# KiCad board ASP-K8071.kicad_pcb
title: ASP-K8071; date: 2025-07-06; rev: 1; company: Roborton; note: Revision 1, 06.07.2025, Stefan Berndt
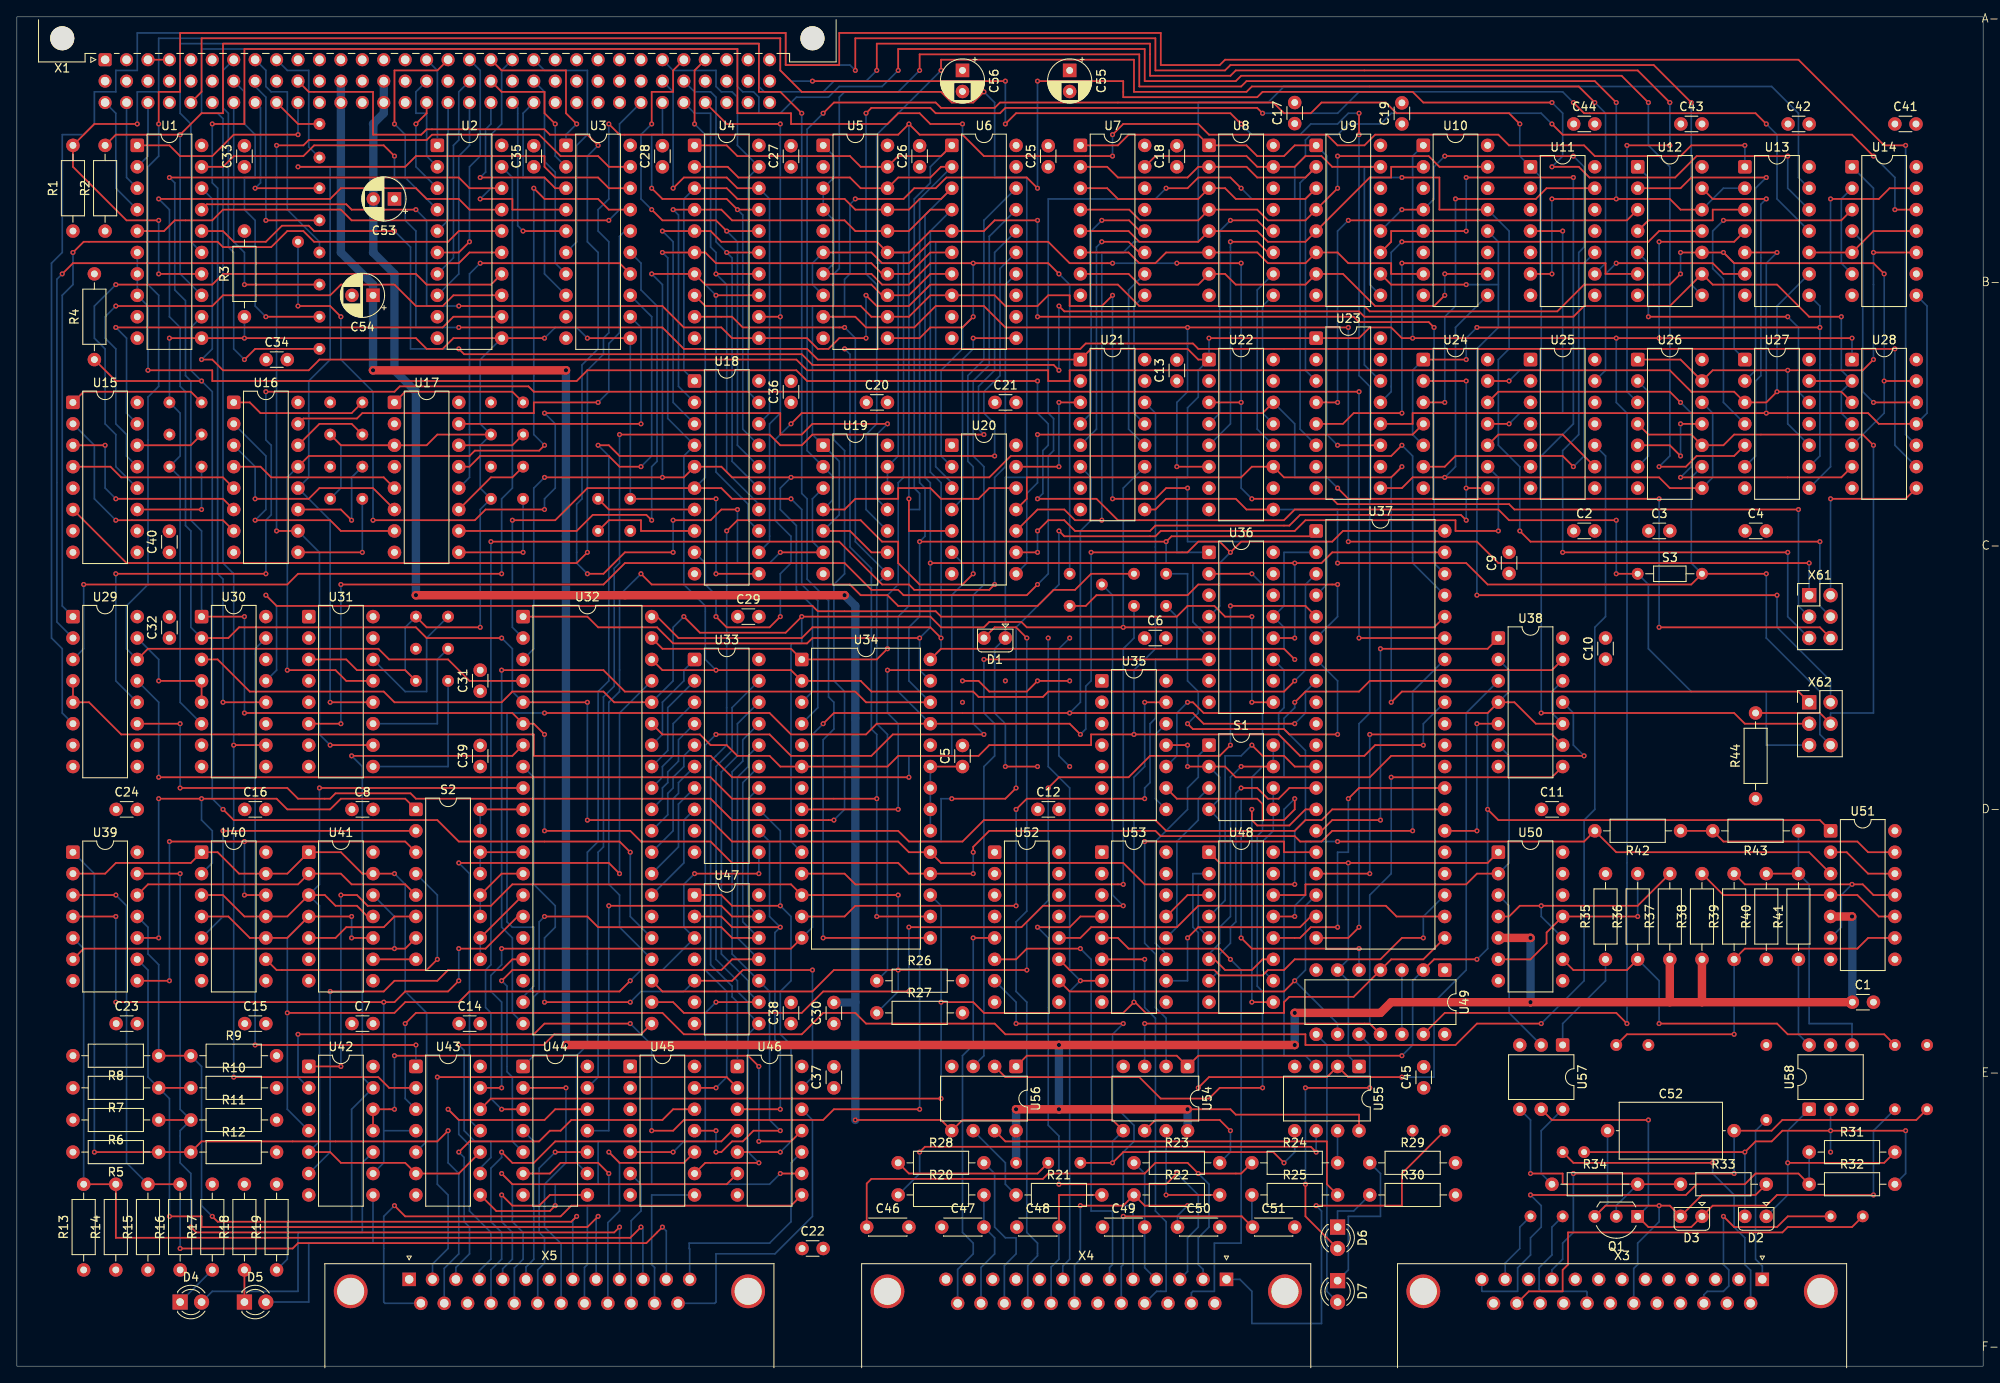
[diagram p0: board, top side]
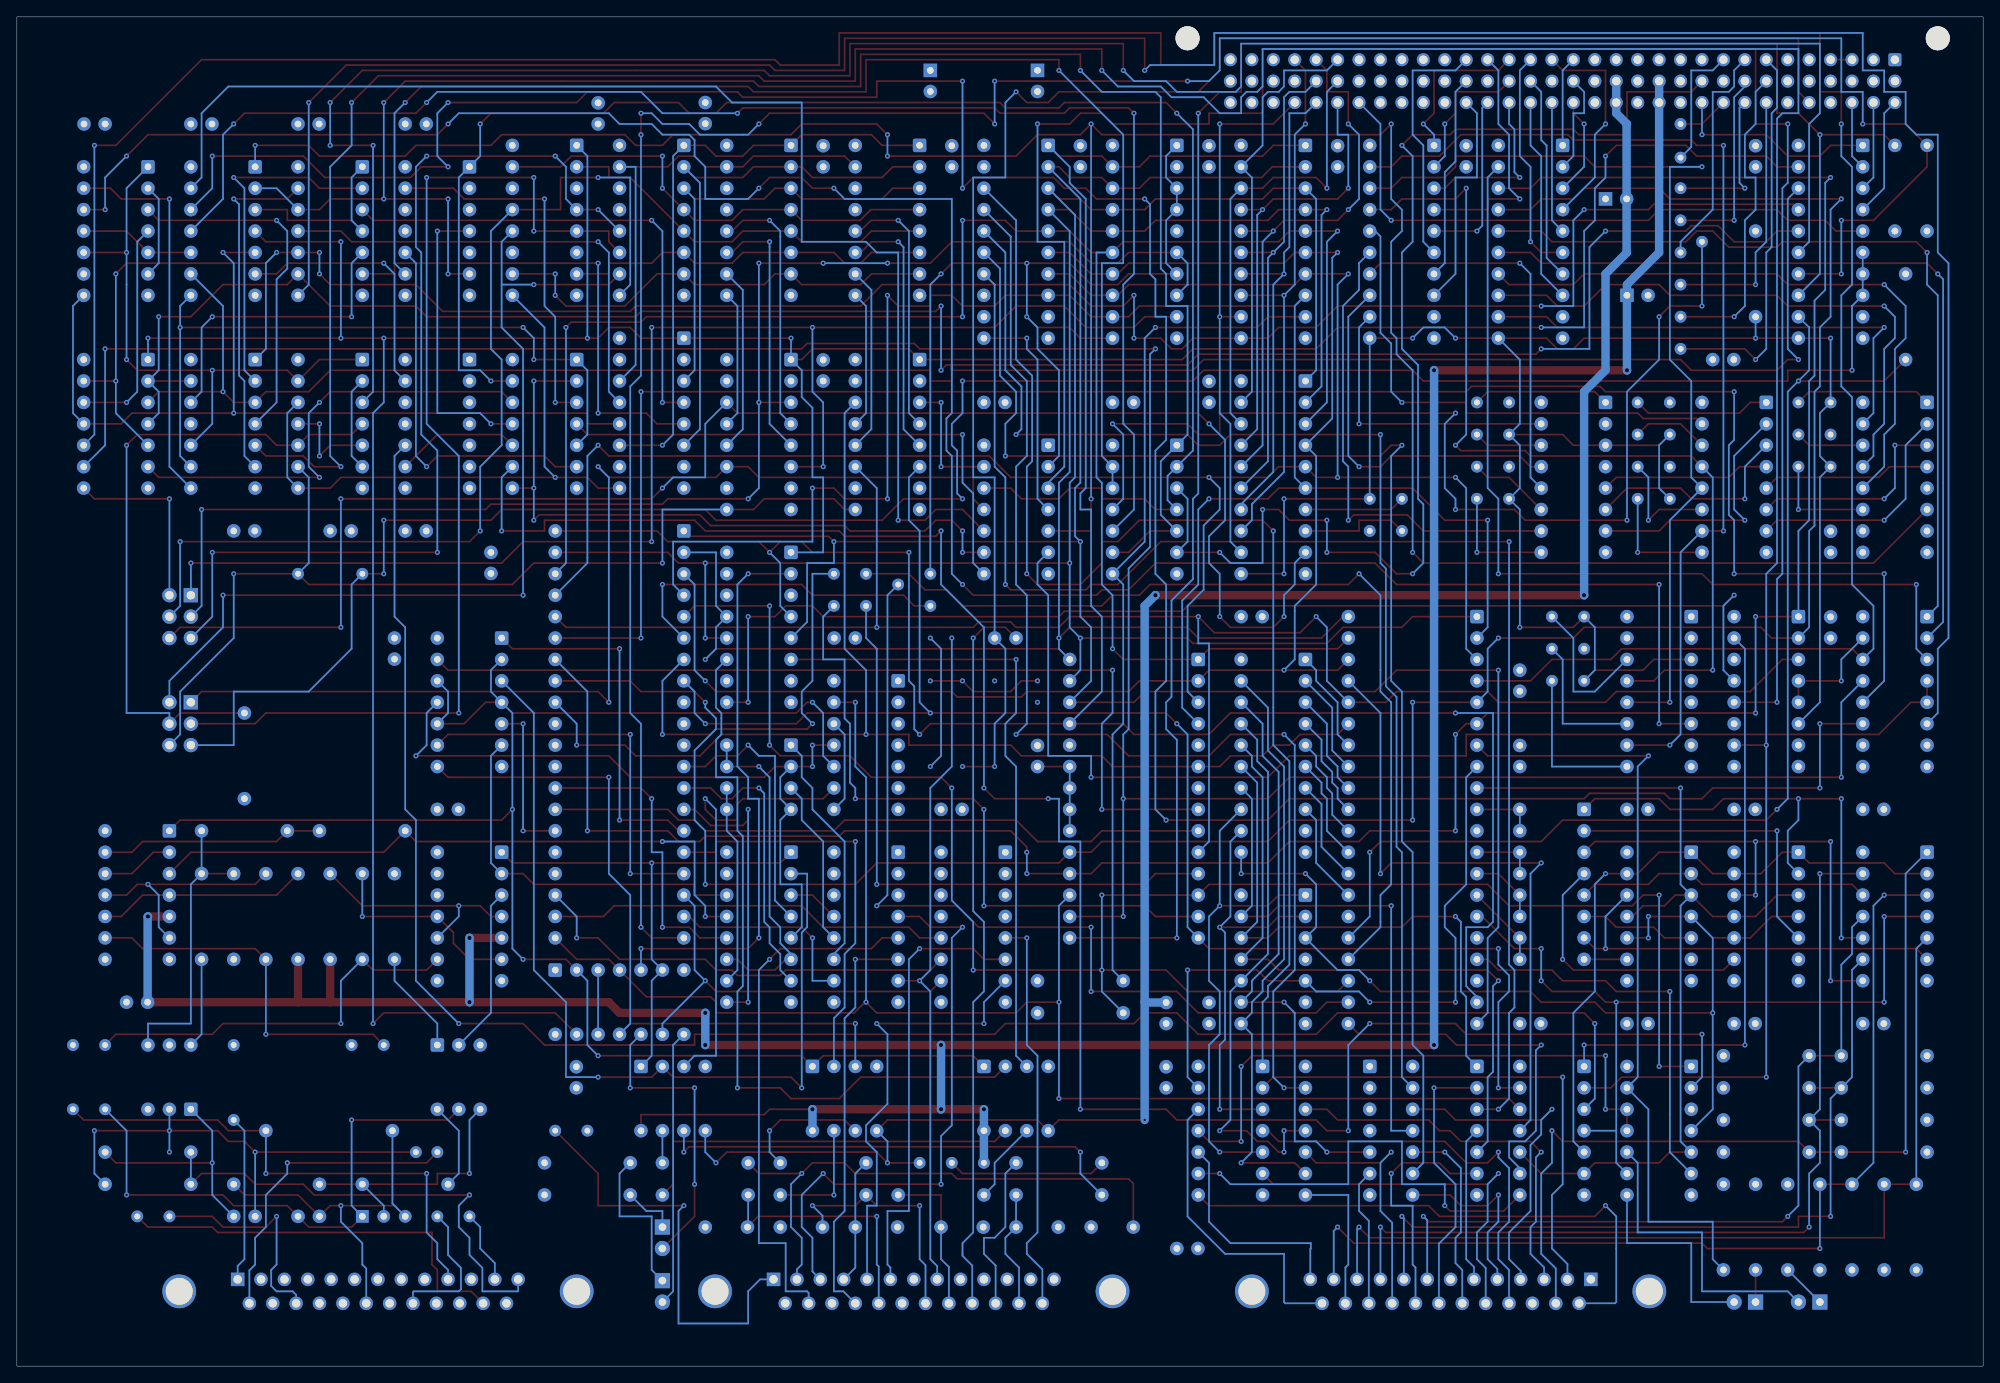
[diagram p1: board, bottom side, seen from below]

Outline 233 x 160 mm; copper layers: Top, In1.Cu, In2.Cu, Bottom. Coordinates in mm from the lower left corner of the outline.
Outline path: rectangle 0,160 233,0
Stack: Top 0.035mm / dielectric 0.1mm FR4 er 4.5 / In1.Cu 0.035mm / dielectric 1.24mm FR4 er 4.5 / In2.Cu 0.035mm / dielectric 0.1mm FR4 er 4.5 / Bottom 0.035mm / dielectric 0mm FR4 er 4.5

## Placement (name value [footprint] x y rotation side)
C1  100nF  [C_Disc_D3.0mm_W1.6mm_P2.50mm]  217.51 43.16 0 top
C2  100nF  [C_Disc_D3.0mm_W1.6mm_P2.50mm]  184.48 99.04 0 top
C3  100nF  [C_Disc_D3.0mm_W1.6mm_P2.50mm]  193.38 99.04 0 top
C4  100nF  [C_Disc_D3.0mm_W1.6mm_P2.50mm]  204.81 99.04 0 top
C5  100nF  [C_Disc_D3.0mm_W1.6mm_P2.50mm]  112.06 71.1 90 top
C6  100nF  [C_Disc_D3.0mm_W1.6mm_P2.50mm]  133.65 86.34 0 top
C7  100nF  [C_Disc_D3.0mm_W1.6mm_P2.50mm]  39.7 40.62 0 top
C8  100nF  [C_Disc_D3.0mm_W1.6mm_P2.50mm]  39.7 66.02 0 top
C9  100nF  [C_Disc_D3.0mm_W1.6mm_P2.50mm]  176.82 94 90 top
C10  100nF  [C_Disc_D3.0mm_W1.6mm_P2.50mm]  188.25 83.84 90 top
C11  100nF  [C_Disc_D3.0mm_W1.6mm_P2.50mm]  180.68 66.02 0 top
C12  100nF  [C_Disc_D3.0mm_W1.6mm_P2.50mm]  120.98 66.02 0 top
C13  100nF  [C_Disc_D3.0mm_W1.6mm_P2.50mm]  137.46 116.82 90 top
C14  100nF  [C_Disc_D3.0mm_W1.6mm_P2.50mm]  52.41 40.62 0 top
C15  100nF  [C_Disc_D3.0mm_W1.6mm_P2.50mm]  27 40.62 0 top
C16  100nF  [C_Disc_D3.0mm_W1.6mm_P2.50mm]  27 66.02 0 top
C17  100nF  [C_Disc_D3.0mm_W1.6mm_P2.50mm]  151.43 147.34 90 top
C18  100nF  [C_Disc_D3.0mm_W1.6mm_P2.50mm]  137.46 142.22 90 top
C19  100nF  [C_Disc_D3.0mm_W1.6mm_P2.50mm]  164.12 147.3 90 top
C20  100nF  [C_Disc_D3.0mm_W1.6mm_P2.50mm]  100.66 114.28 0 top
C21  100nF  [C_Disc_D3.0mm_W1.6mm_P2.50mm]  115.91 114.28 0 top
C22  100nF  [C_Disc_D3.0mm_W1.6mm_P2.50mm]  93.04 13.95 0 top
C23  100nF  [C_Disc_D3.0mm_W1.6mm_P2.50mm]  11.77 40.62 0 top
C24  100nF  [C_Disc_D3.0mm_W1.6mm_P2.50mm]  11.77 66.02 0 top
C25  100nF  [C_Disc_D3.0mm_W1.6mm_P2.50mm]  122.22 142.22 90 top
C26  100nF  [C_Disc_D3.0mm_W1.6mm_P2.50mm]  106.97 142.22 90 top
C27  100nF  [C_Disc_D3.0mm_W1.6mm_P2.50mm]  91.73 142.22 90 top
C28  100nF  [C_Disc_D3.0mm_W1.6mm_P2.50mm]  76.5 142.22 90 top
C29  100nF  [C_Disc_D3.0mm_W1.6mm_P2.50mm]  85.43 88.88 0 top
C30  100nF  [C_Disc_D3.0mm_W1.6mm_P2.50mm]  96.81 40.62 90 top
C31  100nF  [C_Disc_D3.0mm_W1.6mm_P2.50mm]  54.91 80.03 90 top
C32  100nF  [C_Disc_D3.0mm_W1.6mm_P2.50mm]  18.07 86.34 90 top
C33  100nF  [C_Disc_D3.0mm_W1.6mm_P2.50mm]  26.97 142.22 90 top
C34  100nF  [C_Disc_D3.0mm_W1.6mm_P2.50mm]  29.55 119.36 0 top
C35  100nF  [C_Disc_D3.0mm_W1.6mm_P2.50mm]  61.25 142.22 90 top
C36  100nF  [C_Disc_D3.0mm_W1.6mm_P2.50mm]  91.73 114.28 90 top
C37  100nF  [C_Disc_D3.0mm_W1.6mm_P2.50mm]  96.81 33 90 top
C38  100nF  [C_Disc_D3.0mm_W1.6mm_P2.50mm]  91.73 40.62 90 top
C39  100nF  [C_Disc_D3.0mm_W1.6mm_P2.50mm]  54.91 71.1 90 top
C40  100nF  [C_Disc_D3.0mm_W1.6mm_P2.50mm]  18.07 96.5 90 top
C41  100nF  [C_Disc_D3.0mm_W1.6mm_P2.50mm]  222.54 147.3 0 top
C42  100nF  [C_Disc_D3.0mm_W1.6mm_P2.50mm]  209.88 147.3 0 top
C43  100nF  [C_Disc_D3.0mm_W1.6mm_P2.50mm]  197.19 147.3 0 top
C44  100nF  [C_Disc_D3.0mm_W1.6mm_P2.50mm]  184.48 147.3 0 top
C45  100nF  [C_Disc_D3.0mm_W1.6mm_P2.50mm]  166.71 33 90 top
C46  100nF  [C_Disc_D4.3mm_W1.9mm_P5.00mm]  100.71 16.49 0 top
C47  100nF  [C_Disc_D4.3mm_W1.9mm_P5.00mm]  109.59 16.49 0 top
C48  100nF  [C_Disc_D4.3mm_W1.9mm_P5.00mm]  118.48 16.49 0 top
C49  100nF  [C_Disc_D4.3mm_W1.9mm_P5.00mm]  128.65 16.49 0 top
C50  100nF  [C_Disc_D4.3mm_W1.9mm_P5.00mm]  137.53 16.49 0 top
C51  100nF  [C_Disc_D4.3mm_W1.9mm_P5.00mm]  146.43 16.49 0 top
C52  100nF  [C_Axial_L12.0mm_D6.5mm_P15.00mm_Horizontal]  188.5 27.92 0 top
C53  C_Polarized  [CP_Radial_D5.0mm_P2.50mm]  44.75 138.41 180 top
C54  C_Polarized  [CP_Radial_D5.0mm_P2.50mm]  42.2 126.98 180 top
C55  C_Polarized  [CP_Radial_D5.0mm_P2.50mm]  124.75 153.65 270 top
C56  C_Polarized  [CP_Radial_D5.0mm_P2.50mm]  112.06 153.65 270 top
D1  D  [Heraeus_TO-92-2]  117.13 86.34 180 top
D2  D  [Heraeus_TO-92-2]  207.31 17.76 180 top
D3  D  [Heraeus_TO-92-2]  199.69 17.76 180 top
D4  LED  [LED_D3.0mm_Clear]  19.34 7.6 0 top
D5  LED  [LED_D3.0mm_Clear]  26.97 7.6 0 top
D6  LED  [LED_D3.0mm_Clear]  156.5 16.49 270 top
D7  LED  [LED_D3.0mm_Clear]  156.5 10.14 270 top
Q1  BC237  [TO-92L_Inline_Wide]  192.06 17.76 180 top
R1  R  [R_Axial_DIN0207_L6.3mm_D2.5mm_P10.16mm_Horizontal]  6.64 134.6 90 top
R2  R  [R_Axial_DIN0207_L6.3mm_D2.5mm_P10.16mm_Horizontal]  10.45 134.6 90 top
R3  R  [R_Axial_DIN0207_L6.3mm_D2.5mm_P10.16mm_Horizontal]  26.97 124.44 90 top
R4  R  [R_Axial_DIN0207_L6.3mm_D2.5mm_P10.16mm_Horizontal]  9.19 119.36 90 top
R5  R  [R_Axial_DIN0207_L6.3mm_D2.5mm_P10.16mm_Horizontal]  16.8 25.38 180 top
R6  R  [R_Axial_DIN0207_L6.3mm_D2.5mm_P10.16mm_Horizontal]  16.8 29.19 180 top
R7  R  [R_Axial_DIN0207_L6.3mm_D2.5mm_P10.16mm_Horizontal]  16.8 33 180 top
R8  R  [R_Axial_DIN0207_L6.3mm_D2.5mm_P10.16mm_Horizontal]  16.8 36.81 180 top
R9  R  [R_Axial_DIN0207_L6.3mm_D2.5mm_P10.16mm_Horizontal]  20.61 36.81 0 top
R10  R  [R_Axial_DIN0207_L6.3mm_D2.5mm_P10.16mm_Horizontal]  20.61 33 0 top
R11  R  [R_Axial_DIN0207_L6.3mm_D2.5mm_P10.16mm_Horizontal]  20.61 29.19 0 top
R12  R  [R_Axial_DIN0207_L6.3mm_D2.5mm_P10.16mm_Horizontal]  20.61 25.38 0 top
R13  R  [R_Axial_DIN0207_L6.3mm_D2.5mm_P10.16mm_Horizontal]  7.91 11.41 90 top
R14  R  [R_Axial_DIN0207_L6.3mm_D2.5mm_P10.16mm_Horizontal]  11.73 11.41 90 top
R15  R  [R_Axial_DIN0207_L6.3mm_D2.5mm_P10.16mm_Horizontal]  15.53 11.41 90 top
R16  R  [R_Axial_DIN0207_L6.3mm_D2.5mm_P10.16mm_Horizontal]  19.34 11.41 90 top
R17  R  [R_Axial_DIN0207_L6.3mm_D2.5mm_P10.16mm_Horizontal]  23.16 11.41 90 top
R18  R  [R_Axial_DIN0207_L6.3mm_D2.5mm_P10.16mm_Horizontal]  26.97 11.41 90 top
R19  R  [R_Axial_DIN0207_L6.3mm_D2.5mm_P10.16mm_Horizontal]  30.78 11.41 90 top
R20  R  [R_Axial_DIN0207_L6.3mm_D2.5mm_P10.16mm_Horizontal]  104.44 20.3 0 top
R21  R  [R_Axial_DIN0207_L6.3mm_D2.5mm_P10.16mm_Horizontal]  118.41 20.3 0 top
R22  R  [R_Axial_DIN0207_L6.3mm_D2.5mm_P10.16mm_Horizontal]  132.38 20.3 0 top
R23  R  [R_Axial_DIN0207_L6.3mm_D2.5mm_P10.16mm_Horizontal]  132.38 24.11 0 top
R24  R  [R_Axial_DIN0207_L6.3mm_D2.5mm_P10.16mm_Horizontal]  146.34 24.11 0 top
R25  R  [R_Axial_DIN0207_L6.3mm_D2.5mm_P10.16mm_Horizontal]  146.34 20.3 0 top
R26  R  [R_Axial_DIN0207_L6.3mm_D2.5mm_P10.16mm_Horizontal]  101.9 45.7 0 top
R27  R  [R_Axial_DIN0207_L6.3mm_D2.5mm_P10.16mm_Horizontal]  101.9 41.89 0 top
R28  R  [R_Axial_DIN0207_L6.3mm_D2.5mm_P10.16mm_Horizontal]  104.44 24.11 0 top
R29  R  [R_Axial_DIN0207_L6.3mm_D2.5mm_P10.16mm_Horizontal]  160.31 24.11 0 top
R30  R  [R_Axial_DIN0207_L6.3mm_D2.5mm_P10.16mm_Horizontal]  160.31 20.3 0 top
R31  R  [R_Axial_DIN0207_L6.3mm_D2.5mm_P10.16mm_Horizontal]  212.39 25.38 0 top
R32  R  [R_Axial_DIN0207_L6.3mm_D2.5mm_P10.16mm_Horizontal]  212.39 21.57 0 top
R33  R  [R_Axial_DIN0207_L6.3mm_D2.5mm_P10.16mm_Horizontal]  197.15 21.57 0 top
R34  R  [R_Axial_DIN0207_L6.3mm_D2.5mm_P10.16mm_Horizontal]  181.91 21.57 0 top
R35  R  [R_Axial_DIN0207_L6.3mm_D2.5mm_P10.16mm_Horizontal]  188.25 48.24 90 top
R36  R  [R_Axial_DIN0207_L6.3mm_D2.5mm_P10.16mm_Horizontal]  192.06 48.24 90 top
R37  R  [R_Axial_DIN0207_L6.3mm_D2.5mm_P10.16mm_Horizontal]  195.88 48.24 90 top
R38  R  [R_Axial_DIN0207_L6.3mm_D2.5mm_P10.16mm_Horizontal]  199.69 48.24 90 top
R39  R  [R_Axial_DIN0207_L6.3mm_D2.5mm_P10.16mm_Horizontal]  203.5 48.24 90 top
R40  R  [R_Axial_DIN0207_L6.3mm_D2.5mm_P10.16mm_Horizontal]  207.31 48.24 90 top
R41  R  [R_Axial_DIN0207_L6.3mm_D2.5mm_P10.16mm_Horizontal]  211.12 48.24 90 top
R42  R  [R_Axial_DIN0207_L6.3mm_D2.5mm_P10.16mm_Horizontal]  197.15 63.48 180 top
R43  R  [R_Axial_DIN0207_L6.3mm_D2.5mm_P10.16mm_Horizontal]  211.12 63.48 180 top
R44  R  [R_Axial_DIN0207_L6.3mm_D2.5mm_P10.16mm_Horizontal]  206.03 67.29 90 top
S1  SW_DIP_x04_Wechsler  [DIP-8_W7.62mm]  141.26 73.64 0 top
S2  SW_DIP_x08_Wechsler  [DIP-16_W7.62mm]  47.28 66.02 0 top
S3  SW_DIP_x01  [R_Axial_DIN0204_L3.6mm_D1.6mm_P7.62mm_Horizontal]  192.06 93.96 0 top
U1  ~  [DIP-20_W7.62mm]  14.27 144.76 0 top
U2  ~  [DIP-20_W7.62mm]  49.83 144.76 0 top
U3  ~  [DIP-20_W7.62mm]  65.07 144.76 0 top
U4  ~  [DIP-20_W7.62mm]  80.31 144.76 0 top
U5  ~  [DIP-20_W7.62mm]  95.55 144.76 0 top
U6  ~  [DIP-20_W7.62mm]  110.79 144.76 0 top
U7  ~  [DIP-16_W7.62mm]  126.03 144.76 0 top
U8  ~  [DIP-16_W7.62mm]  141.26 144.76 0 top
U9  ~  [DIP-16_W7.62mm]  153.97 144.76 0 top
U10  ~  [DIP-16_W7.62mm]  166.66 144.76 0 top
U11  7474  [DIP-14_W7.62mm]  179.37 142.22 0 top
U12  7400  [DIP-14_W7.62mm]  192.06 142.22 0 top
U13  7408  [DIP-14_W7.62mm]  204.76 142.22 0 top
U14  7474  [DIP-14_W7.62mm]  217.47 142.22 0 top
U15  7485  [DIP-16_W7.62mm]  6.64 114.28 0 top
U16  7485  [DIP-16_W7.62mm]  25.69 114.28 0 top
U17  7485  [DIP-16_W7.62mm]  44.75 114.28 0 top
U18  ~  [DIP-20_W7.62mm]  80.3 116.82 0 top
U19  7438  [DIP-14_W7.62mm]  95.54 109.2 0 top
U20  7404  [DIP-14_W7.62mm]  110.78 109.2 0 top
U21  ~  [DIP-16_W7.62mm]  126.03 119.36 0 top
U22  ~  [DIP-16_W7.62mm]  141.26 119.36 0 top
U23  ~  [DIP-16_W7.62mm]  153.97 121.9 0 top
U24  7400  [DIP-14_W7.62mm]  166.66 119.36 0 top
U25  7474  [DIP-14_W7.62mm]  179.37 119.36 0 top
U26  7474  [DIP-14_W7.62mm]  192.06 119.36 0 top
U27  7404  [DIP-14_W7.62mm]  204.76 119.36 0 top
U28  7411  [DIP-14_W7.62mm]  217.47 119.36 0 top
U29  ~  [DIP-16_W7.62mm]  6.64 88.88 0 top
U30  ~  [DIP-16_W7.62mm]  21.89 88.88 0 top
U31  7485  [DIP-16_W7.62mm]  34.58 88.88 0 top
U32  Z84C20  [DIP-40_W15.24mm]  59.98 88.88 0 top
U33  ~  [DIP-20_W7.62mm]  80.3 83.8 0 top
U34  ~  [DIP-28_W15.24mm]  93 83.8 0 top
U35  7474  [DIP-14_W7.62mm]  128.56 81.26 0 top
U36  ~  [DIP-16_W7.62mm]  141.26 96.5 0 top
U37  ~  [DIP-40_W15.24mm]  153.97 99.04 0 top
U38  7408  [DIP-14_W7.62mm]  175.56 86.34 0 top
U39  7414  [DIP-14_W7.62mm]  6.64 60.94 0 top
U40  7474  [DIP-14_W7.62mm]  21.89 60.94 0 top
U41  7474  [DIP-14_W7.62mm]  34.58 60.94 0 top
U42  7404  [DIP-14_W7.62mm]  34.58 35.54 0 top
U43  7408  [DIP-14_W7.62mm]  47.28 35.54 0 top
U44  7406  [DIP-14_W7.62mm]  59.98 35.54 0 top
U45  7406  [DIP-14_W7.62mm]  72.69 35.54 0 top
U46  7406  [DIP-14_W7.62mm]  85.38 35.54 0 top
U47  ~  [DIP-14_W7.62mm]  80.3 55.86 0 top
U48  ~  [DIP-16_W7.62mm]  141.26 60.94 0 top
U49  7404  [DIP-14_W7.62mm]  169.21 46.97 270 top
U50  75450  [DIP-14_W7.62mm]  175.56 60.94 0 top
U51  75450  [DIP-14_W7.62mm]  214.92 63.48 0 top
U52  ~  [DIP-16_W7.62mm]  115.87 60.94 0 top
U53  ~  [DIP-16_W7.62mm]  128.56 60.94 0 top
U54  ~  [DIP-8_W7.62mm]  138.72 35.54 270 top
U55  ~  [DIP-8_W7.62mm]  159.04 35.53 270 top
U56  ~  [DIP-8_W7.62mm]  118.41 35.54 270 top
U57  ~  [DIP-6_W7.62mm]  183.18 38.08 270 top
U58  ~  [DIP-6_W7.62mm]  212.39 30.46 90 top
X1  DIN41612_03x32_ABC  [DIN41612_C_3x32_Male_Horizontal_THT]  10.45 154.92 0 top
X3  DB25_Socket  [DSUB-25_Socket_Horizontal_P2.77x2.84mm_EdgePinOffset7.70mm_Housed_MountingHolesOffset9.12mm]  206.84 10.29 0 top
X4  DB25_Socket  [DSUB-25_Socket_Horizontal_P2.77x2.84mm_EdgePinOffset7.70mm_Housed_MountingHolesOffset9.12mm]  143.34 10.29 0 top
X5  DB25_Pins  [DSUB-25_Pins_Horizontal_P2.77x2.84mm_EdgePinOffset7.70mm_Housed_MountingHolesOffset9.12mm]  46.48 10.29 0 top
X61  Conn_02x03_Odd_Even  [PinHeader_2x03_P2.54mm_Vertical]  212.39 91.42 0 top
X62  Conn_02x03_Odd_Even  [PinHeader_2x03_P2.54mm_Vertical]  212.39 78.72 0 top
X101  Conn_01x01_Pin  [Pin_D1.0mm_L10.0mm]  226.35 30.46 0 top
X102  Conn_01x01_Pin  [Pin_D1.0mm_L10.0mm]  222.54 38.08 0 top
X103  Conn_01x01_Pin  [Pin_D1.0mm_L10.0mm]  222.54 30.46 0 top
X104  Conn_01x01_Pin  [Pin_D1.0mm_L10.0mm]  226.35 38.08 0 top
X105  Conn_01x01_Pin  [Pin_D1.0mm_L10.0mm]  207.31 29.19 0 top
X106  Conn_01x01_Pin  [Pin_D1.0mm_L10.0mm]  207.31 38.08 0 top
X107  Conn_01x01_Pin  [Pin_D1.0mm_L10.0mm]  189.53 38.08 0 top
X108  Conn_01x01_Pin  [Pin_D1.0mm_L10.0mm]  193.34 38.08 0 top
X109  Conn_01x01_Pin  [Pin_D1.0mm_L10.0mm]  185.72 25.38 0 top
X111  Conn_01x01_Pin  [Pin_D1.0mm_L10.0mm]  169.21 27.92 0 top
X112  Conn_01x01_Pin  [Pin_D1.0mm_L10.0mm]  165.4 27.92 0 top
X121  Conn_01x01_Pin  [Pin_D1.0mm_L10.0mm]  136.19 90.15 0 top
X122  Conn_01x01_Pin  [Pin_D1.0mm_L10.0mm]  136.19 93.96 0 top
X123  Conn_01x01_Pin  [Pin_D1.0mm_L10.0mm]  132.38 90.15 0 top
X124  Conn_01x01_Pin  [Pin_D1.0mm_L10.0mm]  132.38 93.96 0 top
X125  Conn_01x01_Pin  [Pin_D1.0mm_L10.0mm]  128.56 92.69 0 top
X126  Conn_01x01_Pin  [Pin_D1.0mm_L10.0mm]  124.75 90.15 0 top
X127  Conn_01x01_Pin  [Pin_D1.0mm_L10.0mm]  124.75 93.96 0 top
X131  Conn_01x01_Pin  [Pin_D1.0mm_L10.0mm]  126.03 24.11 0 top
X132  Conn_01x01_Pin  [Pin_D1.0mm_L10.0mm]  122.22 24.11 0 top
X133  Conn_01x01_Pin  [Pin_D1.0mm_L10.0mm]  118.41 24.11 0 top
X141  Conn_01x01_Pin  [Pin_D1.0mm_L10.0mm]  72.69 99.04 0 top
X142  Conn_01x01_Pin  [Pin_D1.0mm_L10.0mm]  72.69 102.85 0 top
X143  Conn_01x01_Pin  [Pin_D1.0mm_L10.0mm]  68.88 99.04 0 top
X144  Conn_01x01_Pin  [Pin_D1.0mm_L10.0mm]  68.88 102.85 0 top
X151  Conn_01x01_Pin  [Pin_D1.0mm_L10.0mm]  59.98 102.85 0 top
X152  Conn_01x01_Pin  [Pin_D1.0mm_L10.0mm]  59.98 106.66 0 top
X153  Conn_01x01_Pin  [Pin_D1.0mm_L10.0mm]  59.98 110.47 0 top
X154  Conn_01x01_Pin  [Pin_D1.0mm_L10.0mm]  59.98 114.28 0 top
X155  Conn_01x01_Pin  [Pin_D1.0mm_L10.0mm]  56.17 102.85 0 top
X156  Conn_01x01_Pin  [Pin_D1.0mm_L10.0mm]  56.17 106.66 0 top
X157  Conn_01x01_Pin  [Pin_D1.0mm_L10.0mm]  56.17 110.47 0 top
X158  Conn_01x01_Pin  [Pin_D1.0mm_L10.0mm]  56.17 114.28 0 top
X161  Conn_01x01_Pin  [Pin_D1.0mm_L10.0mm]  51.09 81.26 0 top
X162  Conn_01x01_Pin  [Pin_D1.0mm_L10.0mm]  51.09 85.07 0 top
X163  Conn_01x01_Pin  [Pin_D1.0mm_L10.0mm]  51.09 88.88 0 top
X164  Conn_01x01_Pin  [Pin_D1.0mm_L10.0mm]  47.28 81.26 0 top
X165  Conn_01x01_Pin  [Pin_D1.0mm_L10.0mm]  47.28 85.07 0 top
X166  Conn_01x01_Pin  [Pin_D1.0mm_L10.0mm]  47.28 88.88 0 top
X171  Conn_01x01_Pin  [Pin_D1.0mm_L10.0mm]  40.94 102.85 0 top
X172  Conn_01x01_Pin  [Pin_D1.0mm_L10.0mm]  40.94 106.66 0 top
X173  Conn_01x01_Pin  [Pin_D1.0mm_L10.0mm]  40.94 110.47 0 top
X174  Conn_01x01_Pin  [Pin_D1.0mm_L10.0mm]  40.94 114.28 0 top
X175  Conn_01x01_Pin  [Pin_D1.0mm_L10.0mm]  37.12 102.85 0 top
X176  Conn_01x01_Pin  [Pin_D1.0mm_L10.0mm]  37.12 106.66 0 top
X177  Conn_01x01_Pin  [Pin_D1.0mm_L10.0mm]  37.12 110.47 0 top
X178  Conn_01x01_Pin  [Pin_D1.0mm_L10.0mm]  37.12 114.28 0 top
X181  Conn_01x01_Pin  [Pin_D1.0mm_L10.0mm]  35.86 120.63 0 top
X182  Conn_01x01_Pin  [Pin_D1.0mm_L10.0mm]  35.86 124.44 0 top
X183  Conn_01x01_Pin  [Pin_D1.0mm_L10.0mm]  35.86 128.25 0 top
X184  Conn_01x01_Pin  [Pin_D1.0mm_L10.0mm]  35.86 132.06 0 top
X185  Conn_01x01_Pin  [Pin_D1.0mm_L10.0mm]  35.86 135.87 0 top
X186  Conn_01x01_Pin  [Pin_D1.0mm_L10.0mm]  35.86 139.68 0 top
X187  Conn_01x01_Pin  [Pin_D1.0mm_L10.0mm]  35.86 143.31 0 top
X188  Conn_01x01_Pin  [Pin_D1.0mm_L10.0mm]  35.86 147.3 0 top
X189  Conn_01x01_Pin  [Pin_D1.0mm_L10.0mm]  33.31 133.33 0 top
X191  Conn_01x01_Pin  [Pin_D1.0mm_L10.0mm]  21.89 106.66 0 top
X192  Conn_01x01_Pin  [Pin_D1.0mm_L10.0mm]  21.89 110.47 0 top
X193  Conn_01x01_Pin  [Pin_D1.0mm_L10.0mm]  21.89 114.28 0 top
X194  Conn_01x01_Pin  [Pin_D1.0mm_L10.0mm]  18.07 106.66 0 top
X195  Conn_01x01_Pin  [Pin_D1.0mm_L10.0mm]  18.07 110.47 0 top
X196  Conn_01x01_Pin  [Pin_D1.0mm_L10.0mm]  18.07 114.28 0 top
X201  Conn_01x01_Pin  [Pin_D1.0mm_L10.0mm]  218.73 17.76 0 top
X202  Conn_01x01_Pin  [Pin_D1.0mm_L10.0mm]  214.92 17.76 0 top
X203  Conn_01x01_Pin  [Pin_D1.0mm_L10.0mm]  183.18 17.76 0 top
X204  Conn_01x01_Pin  [Pin_D1.0mm_L10.0mm]  179.37 17.76 0 top
X1010  Conn_01x01_Pin  [Pin_D1.0mm_L10.0mm]  183.18 25.38 0 top

## Library data of the parts
C1-C52 = -: Description: Unpolarized capacitor; ki_fp_filters: C_*
C53-C56 = -: Description: Polarized capacitor; ki_fp_filters: CP_*
D1-D3 = -: Description: Diode; Sim.Pins: 1=K 2=A; ki_fp_filters: TO-???* *_Diode_* *SingleDiode* D_*
D4-D7 = -: Description: Light emitting diode; Sim.Pins: 1=K 2=A; ki_fp_filters: LED* LED_SMD:* LED_THT:*
Q1 = -: Datasheet: http://www.onsemi.com/pub_link/Collateral/BC237-D.PDF; Description: 100mA Ic, 50V Vce, Epitaxial Silicon NPN Transistor, TO-92; ki_fp_filters: TO?92*
R1-R44 = -: Description: Resistor; ki_fp_filters: R_*
S1 = -: Description: 4x DIP Switch, Single Pole Single Throw (SPST) switch, small symbol; ki_fp_filters: SW?DIP?x4*
S2 = -: Description: 8x DIP Switch, Single Pole Single Throw (SPST) switch, small symbol; ki_fp_filters: SW?DIP?x8*
S3 = -: Description: 1x DIP Switch, Single Pole Single Throw (SPST) switch, small symbol; ki_fp_filters: SW?DIP?x1*
U32 = -: Datasheet: https://www.zilog.com/appnotes_download.php?FromPage=DirectLink&dn=PS0180&ft=Product%20Specification%20(Data%20Sheet)%20%20&f=YUhSMGNEb3ZMM2QzZHk1NmFXeHZaeTVqYjIwdlpHOWpjeTk2T0RBdmNITXdNVGd3TG5Ca1pnPT0=; Description: Parallel I/O, CMOS, DIP-40; ki_fp_filters: DIP*W15.24mm*
X1 = -: Description: DIN41612 connector, double row (AB), 02x32, script generated (kicad-library-utils/schlib/autogen/connector/); ki_fp_filters: DIN41612*2x*
X3 X4 = -: Description: 25-pin D-SUB connector, socket (female); ki_fp_filters: DSUB*Socket*
X5 = -: Description: 25-pin D-SUB connector, pins (male); ki_fp_filters: DSUB*Pins*
X61 X62 = -: Description: Generic connector, double row, 02x03, odd/even pin numbering scheme (row 1 odd numbers, row 2 even numbers), script generated (kicad-library-utils/schlib/autogen/connector/); ki_fp_filters: Connector*:*_2x??_*
X101-X109 X111 X112 X121-X127 X131-X133 X141-X144 X151-X158 X161-X166 X171-X178 X181-X189 X191-X196 X201-X204 X1010 = -: Description: Generic connector, single row, 01x01, script generated; ki_fp_filters: Connector*:*_1x??_*
